# Altium PCB sugar65V2_ARGB_QMK(1).PcbDoc (part 4 of 8)
Units mm, origin at the board's own origin, x right, y up, seen from the top; angles counter-clockwise.
Board outline 416.94 x 174.37 mm, 2 copper layers (Top Layer, Bottom Layer); 304 components, 242 nets, 11102 pads, 1014 vias.
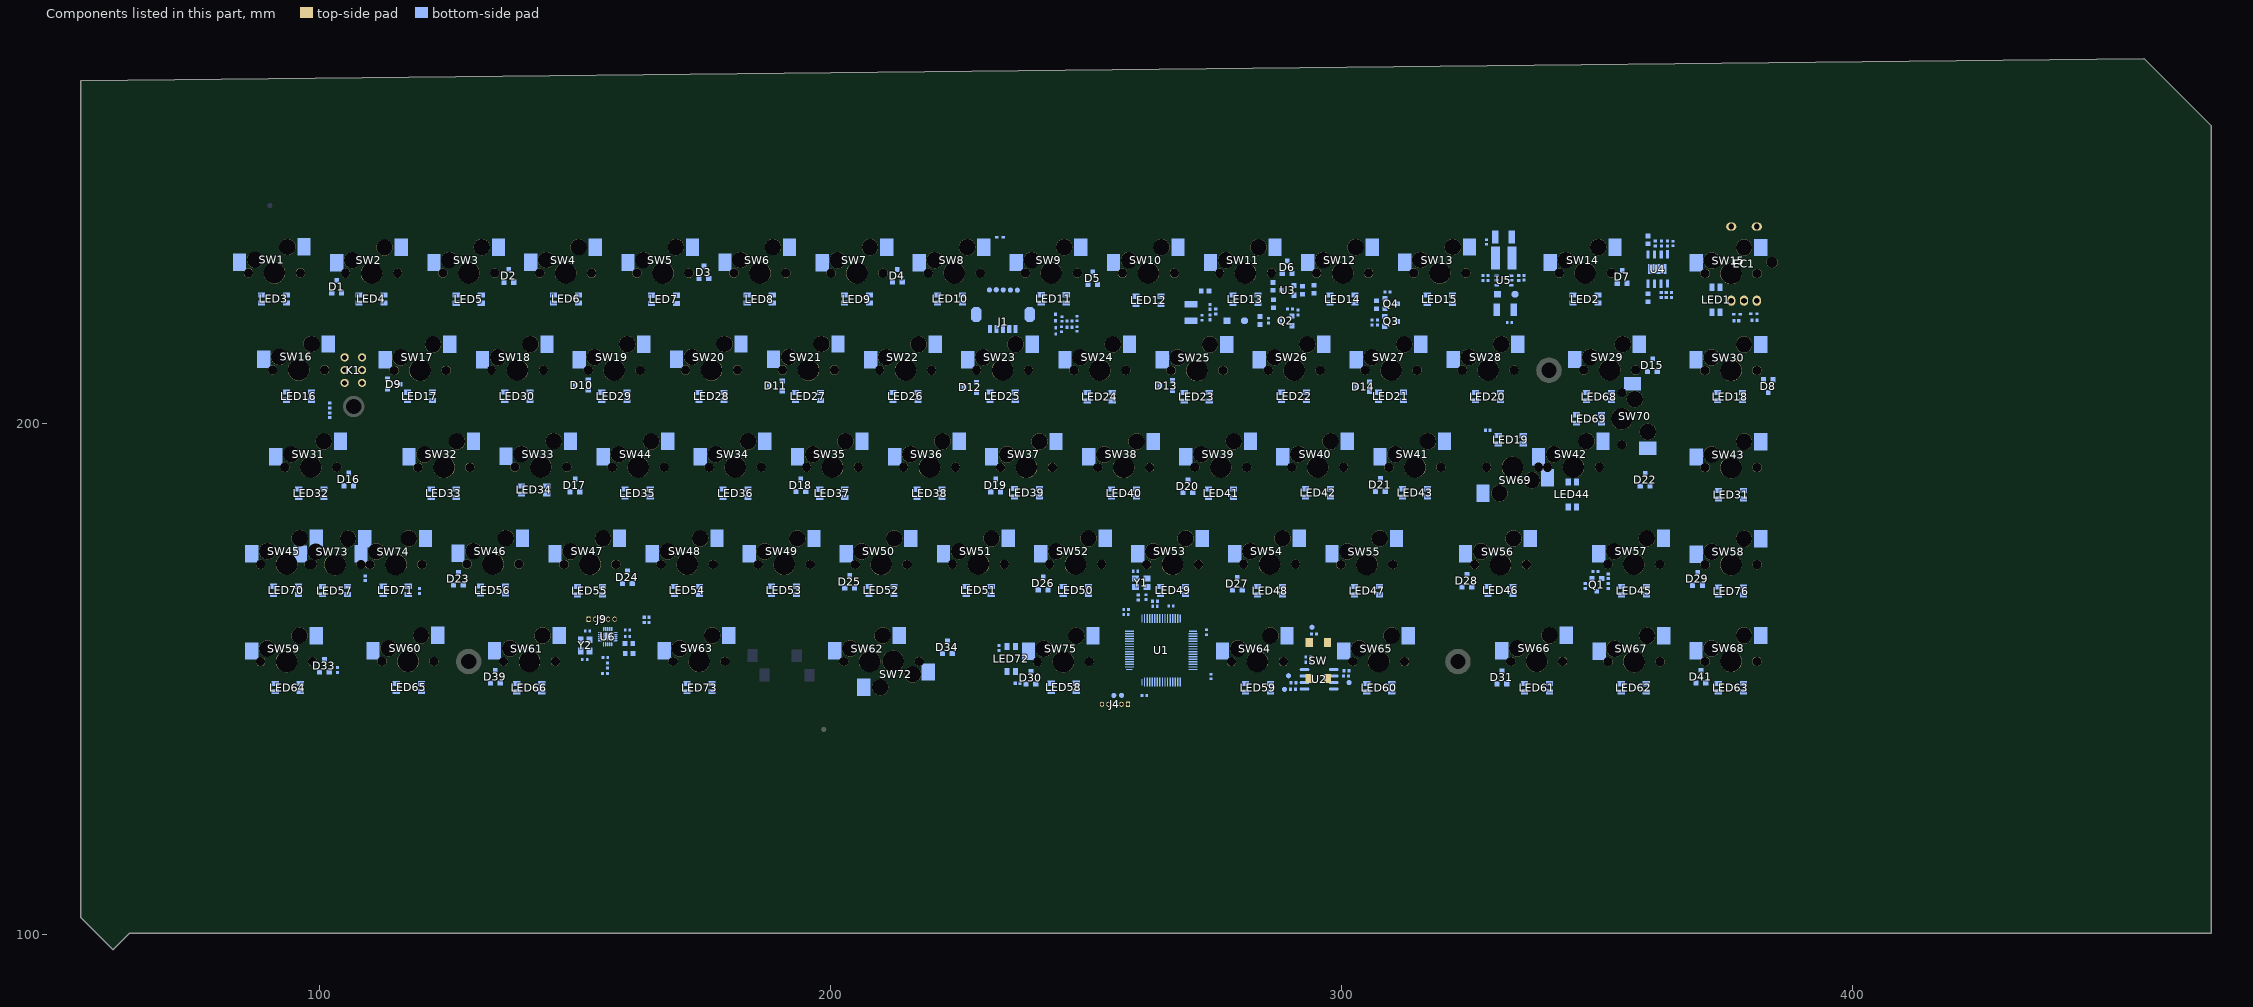
[diagram p4: the components of this part, seen from the top]

## Free pads (board coordinates) (continued)
  round 0.13 on Mech4: 1(181.463,232.211) 1(181.463,232.211) 1(181.553,231.471) 1(181.553,231.471) 1(181.553,232.441) 1(181.553,232.441) 1(181.703,231.261) 1(181.703,231.261) 1(181.703,232.651) 1(181.703,232.651) 1(181.893,231.091) 1(181.893,231.091) 1(181.893,232.821) 1(181.893,232.821) 1(182.113,230.971) 1(182.113,230.971) 1(182.113,232.941) 1(182.113,232.941) 1(182.363,230.911) 1(182.363,230.911) 1(182.363,233.001) 1(182.363,233.001) 1(182.613,230.911) 1(182.613,230.911) 1(182.613,233.001) 1(182.613,233.001) 1(182.853,230.971) 1(182.853,230.971) 1(182.853,232.941) 1(182.853,232.941) 1(182.933,196.501) 1(182.933,196.501) 1(182.963,196.241) 1(182.963,196.241) 1(182.963,196.751) 1(182.963,196.751) 1(183.053,196.011) 1(183.053,196.011) 1(183.053,196.981) 1(183.053,196.981) 1(183.083,231.091) 1(183.083,231.091) 1(183.083,232.821) 1(183.083,232.821) 1(183.203,195.801) 1(183.203,195.801) 1(183.203,197.191) 1(183.203,197.191) 1(183.273,231.261) 1(183.273,231.261) 1(183.273,232.651) 1(183.273,232.651) 1(183.393,195.631) 1(183.393,195.631) 1(183.393,197.361) 1(183.393,197.361) 1(183.413,231.471) 1(183.413,231.471) 1(183.413,232.441) 1(183.413,232.441) 1(183.503,231.701) 1(183.503,231.701) 1(183.503,232.211) 1(183.503,232.211) 1(183.533,231.961) 1(183.533,231.961) 1(183.613,195.511) 1(183.613,195.511) 1(183.613,197.481) 1(183.613,197.481) 1(183.863,195.451) 1(183.863,195.451) 1(183.863,197.541) 1(183.863,197.541) 1(184.113,195.451) 1(184.113,195.451) 1(184.113,197.541) 1(184.113,197.541) 1(184.353,195.511) 1(184.353,195.511) 1(184.353,197.481) 1(184.353,197.481) 1(184.583,195.631) 1(184.583,195.631) 1(184.583,197.361) 1(184.583,197.361) 1(184.773,195.801) 1(184.773,195.801) 1(184.773,197.191) 1(184.773,197.191) 1(184.913,196.011) 1(184.913,196.011) 1(184.913,196.981) 1(184.913,196.981) 1(185.003,196.241) 1(185.003,196.241) 1(185.003,196.751) 1(185.003,196.751) 1(185.033,196.501) 1(185.033,196.501) 1(186.183,174.961) 1(186.183,174.961) 1(186.213,174.701) 1(186.213,174.701) 1(186.213,175.211) 1(186.213,175.211) 1(186.303,174.471) 1(186.303,174.471) 1(186.303,175.441) 1(186.303,175.441) 1(186.453,174.261) 1(186.453,174.261) 1(186.453,175.651) 1(186.453,175.651) 1(186.643,174.091) 1(186.643,174.091) 1(186.643,175.821) 1(186.643,175.821) 1(186.863,173.971) 1(186.863,173.971) 1(186.863,175.941) 1(186.863,175.941) 1(187.113,173.911) 1(187.113,173.911) 1(187.113,176.001) 1(187.113,176.001) 1(187.363,173.911) 1(187.363,173.911) 1(187.363,176.001) 1(187.363,176.001) 1(187.603,173.971) 1(187.603,173.971) 1(187.603,175.941) 1(187.603,175.941) 1(187.783,234.501) 1(187.783,234.501) 1(187.813,234.241) 1(187.813,234.241) 1(187.813,234.751) 1(187.813,234.751) 1(187.833,174.091) 1(187.833,174.091) 1(187.833,175.821) 1(187.833,175.821) 1(187.903,234.011) 1(187.903,234.011) 1(187.903,234.981) 1(187.903,234.981) 1(188.023,174.261) 1(188.023,174.261) 1(188.023,175.651) 1(188.023,175.651) 1(188.053,233.801) 1(188.053,233.801) 1(188.053,235.191) 1(188.053,235.191) 1(188.163,174.471) 1(188.163,174.471) 1(188.163,175.441) 1(188.163,175.441) 1(188.243,233.631) 1(188.243,233.631) 1(188.243,235.361) 1(188.243,235.361) 1(188.253,174.701) 1(188.253,174.701) 1(188.253,175.211) 1(188.253,175.211) 1(188.283,174.961) 1(188.283,174.961) 1(188.463,233.511) 1(188.463,233.511) 1(188.463,235.481) 1(188.463,235.481) 1(188.713,233.451) 1(188.713,233.451) 1(188.713,235.541) 1(188.713,235.541) 1(188.963,233.451) 1(188.963,233.451) 1(188.963,235.541) 1(188.963,235.541) 1(189.203,233.511) 1(189.203,233.511) 1(189.203,235.481) 1(189.203,235.481) 1(189.433,233.631) 1(189.433,233.631) 1(189.433,235.361) 1(189.433,235.361) 1(189.623,233.801) 1(189.623,233.801) 1(189.623,235.191) 1(189.623,235.191) 1(189.763,234.011) 1(189.763,234.011) 1(189.763,234.981) 1(189.763,234.981) 1(189.853,234.241) 1(189.853,234.241) 1(189.853,234.751) 1(189.853,234.751) 1(189.883,234.501) 1(189.883,234.501) 1(190.933,212.961) 1(190.933,212.961) 1(190.963,212.701) 1(190.963,212.701) 1(190.963,213.211) 1(190.963,213.211) 1(191.053,212.471) 1(191.053,212.471) 1(191.053,213.441) 1(191.053,213.441) 1(191.203,212.261) 1(191.203,212.261) 1(191.203,213.651) 1(191.203,213.651) 1(191.393,212.091) 1(191.393,212.091) 1(191.393,213.821) 1(191.393,213.821) 1(191.613,211.971) 1(191.613,211.971) 1(191.613,213.941) 1(191.613,213.941) 1(191.863,211.911) 1(191.863,211.911) 1(191.863,214.001) 1(191.863,214.001) 1(192.113,211.911) 1(192.113,211.911) 1(192.113,214.001) 1(192.113,214.001) 1(192.353,211.971) 1(192.353,211.971) 1(192.353,213.941) 1(192.353,213.941) 1(192.533,177.501) 1(192.533,177.501) 1(192.563,177.241) 1(192.563,177.241) 1(192.563,177.751) 1(192.563,177.751) 1(192.583,212.091) 1(192.583,212.091) 1(192.583,213.821) 1(192.583,213.821) 1(192.653,177.011) 1(192.653,177.011) 1(192.653,177.981) 1(192.653,177.981) 1(192.773,212.261) 1(192.773,212.261) 1(192.773,213.651) 1(192.773,213.651) 1(192.803,176.801) 1(192.803,176.801) 1(192.803,178.191) 1(192.803,178.191) 1(192.913,212.471) 1(192.913,212.471) 1(192.913,213.441) 1(192.913,213.441) 1(192.993,176.631) 1(192.993,176.631) 1(192.993,178.361) 1(192.993,178.361) 1(193.003,212.701) 1(193.003,212.701) 1(193.003,213.211) 1(193.003,213.211) 1(193.033,212.961) 1(193.033,212.961) 1(193.213,176.511) 1(193.213,176.511) 1(193.213,178.481) 1(193.213,178.481) 1(193.463,176.451) 1(193.463,176.451) 1(193.463,178.541) 1(193.463,178.541) 1(193.713,176.451) 1(193.713,176.451) 1(193.713,178.541) 1(193.713,178.541) 1(193.953,176.511) 1(193.953,176.511) 1(193.953,178.481) 1(193.953,178.481) 1(194.183,176.631) 1(194.183,176.631) 1(194.183,178.361) 1(194.183,178.361) 1(194.373,176.801) 1(194.373,176.801) 1(194.373,178.191) 1(194.373,178.191) 1(194.513,177.011) 1(194.513,177.011) 1(194.513,177.981) 1(194.513,177.981) 1(194.603,177.241) 1(194.603,177.241) 1(194.603,177.751) 1(194.603,177.751) 1(194.633,177.501) 1(194.633,177.501) 1(195.583,193.961) 1(195.583,193.961) 1(195.613,193.701) 1(195.613,193.701) 1(195.613,194.211) 1(195.613,194.211) 1(195.703,193.471) 1(195.703,193.471) 1(195.703,194.441) 1(195.703,194.441) 1(195.853,193.261) 1(195.853,193.261) 1(195.853,194.651) 1(195.853,194.651) 1(196.043,193.091) 1(196.043,193.091) 1(196.043,194.821) 1(196.043,194.821) 1(196.263,192.971) 1(196.263,192.971) 1(196.263,194.941) 1(196.263,194.941) 1(196.513,192.911) 1(196.513,192.911) 1(196.513,195.001) 1(196.513,195.001) 1(196.763,192.911) 1(196.763,192.911) 1(196.763,195.001) 1(196.763,195.001) 1(197.003,192.971) 1(197.003,192.971) 1(197.003,194.941) 1(197.003,194.941) 1(197.233,193.091) 1(197.233,193.091) 1(197.233,194.821) 1(197.233,194.821) 1(197.283,215.501) 1(197.283,215.501) 1(197.313,215.241) 1(197.313,215.241) 1(197.313,215.751) 1(197.313,215.751) 1(197.403,215.011) 1(197.403,215.011) 1(197.403,215.981) 1(197.403,215.981) 1(197.423,193.261) 1(197.423,193.261) 1(197.423,194.651) 1(197.423,194.651) 1(197.553,214.801) 1(197.553,214.801) 1(197.553,216.191) 1(197.553,216.191) 1(197.563,193.471) 1(197.563,193.471) 1(197.563,194.441) 1(197.563,194.441) 1(197.653,193.701) 1(197.653,193.701) 1(197.653,194.211) 1(197.653,194.211) 1(197.683,193.961) 1(197.683,193.961) 1(197.743,214.631) 1(197.743,214.631) 1(197.743,216.361) 1(197.743,216.361) 1(197.963,214.511) 1(197.963,214.511) 1(197.963,216.481) 1(197.963,216.481) 1(198.213,214.451) 1(198.213,214.451) 1(198.213,216.541) 1(198.213,216.541) 1(198.463,214.451) 1(198.463,214.451) 1(198.463,216.541) 1(198.463,216.541) 1(198.703,214.511) 1(198.703,214.511) 1(198.703,216.481) 1(198.703,216.481) 1(198.933,214.631) 1(198.933,214.631) 1(198.933,216.361) 1(198.933,216.361) 1(199.123,214.801) 1(199.123,214.801) 1(199.123,216.191) 1(199.123,216.191) 1(199.263,215.011) 1(199.263,215.011) 1(199.263,215.981) 1(199.263,215.981) 1(199.353,215.241) 1(199.353,215.241) 1(199.353,215.751) 1(199.353,215.751) 1(199.383,215.501) 1(199.383,215.501) 1(200.433,231.961) 1(200.433,231.961) 1(200.463,231.701) 1(200.463,231.701) 1(200.463,232.211) 1(200.463,232.211) 1(200.553,231.471) 1(200.553,231.471) 1(200.553,232.441) 1(200.553,232.441) 1(200.703,231.261) 1(200.703,231.261) 1(200.703,232.651) 1(200.703,232.651) 1(200.893,231.091) 1(200.893,231.091) 1(200.893,232.821) 1(200.893,232.821) 1(201.113,230.971) 1(201.113,230.971) 1(201.113,232.941) 1(201.113,232.941) 1(201.363,230.911) 1(201.363,230.911) 1(201.363,233.001) 1(201.363,233.001) 1(201.613,230.911) 1(201.613,230.911) 1(201.613,233.001) 1(201.613,233.001) 1(201.853,230.971) 1(201.853,230.971) 1(201.853,232.941) 1(201.853,232.941) 1(201.933,196.501) 1(201.933,196.501) 1(201.963,196.241) 1(201.963,196.241) 1(201.963,196.751) 1(201.963,196.751) 1(202.053,196.011) 1(202.053,196.011) 1(202.053,196.981) 1(202.053,196.981) 1(202.083,231.091) 1(202.083,231.091) 1(202.083,232.821) 1(202.083,232.821) 1(202.203,195.801) 1(202.203,195.801) 1(202.203,197.191) 1(202.203,197.191) 1(202.273,231.261) 1(202.273,231.261) 1(202.273,232.651) 1(202.273,232.651) 1(202.393,195.631) 1(202.393,195.631) 1(202.393,197.361) 1(202.393,197.361) 1(202.413,231.471) 1(202.413,231.471) 1(202.413,232.441) 1(202.413,232.441) 1(202.503,231.701) 1(202.503,231.701) 1(202.503,232.211) 1(202.503,232.211) 1(202.533,231.961) 1(202.533,231.961) 1(202.613,195.511) 1(202.613,195.511) 1(202.613,197.481) 1(202.613,197.481) 1(202.863,195.451) 1(202.863,195.451) 1(202.863,197.541) 1(202.863,197.541) 1(202.934,155.961) 1(202.934,155.961) 1(202.964,155.701) 1(202.964,155.701) 1(202.964,156.211) 1(202.964,156.211) 1(203.054,155.471) 1(203.054,155.471) 1(203.054,156.441) 1(203.054,156.441) 1(203.113,195.451) 1(203.113,195.451) 1(203.113,197.541) 1(203.113,197.541) 1(203.204,155.261) 1(203.204,155.261) 1(203.204,156.651) 1(203.204,156.651) 1(203.353,195.511) 1(203.353,195.511) 1(203.353,197.481) 1(203.353,197.481) 1(203.394,155.091) 1(203.394,155.091) 1(203.394,156.821) 1(203.394,156.821) 1(203.583,195.631) 1(203.583,195.631) 1(203.583,197.361) 1(203.583,197.361) 1(203.614,154.971) 1(203.614,154.971) 1(203.614,156.941) 1(203.614,156.941) 1(203.773,195.801) 1(203.773,195.801) 1(203.773,197.191) 1(203.773,197.191) 1(203.864,154.911) 1(203.864,154.911) 1(203.864,157.001) 1(203.864,157.001) 1(203.913,196.011) 1(203.913,196.011) 1(203.913,196.981) 1(203.913,196.981) 1(204.003,196.241) 1(204.003,196.241) 1(204.003,196.751) 1(204.003,196.751) 1(204.033,196.501) 1(204.033,196.501) 1(204.114,154.911) 1(204.114,154.911) 1(204.114,157.001) 1(204.114,157.001) 1(204.354,154.971) 1(204.354,154.971) 1(204.354,156.941) 1(204.354,156.941) 1(204.584,155.091) 1(204.584,155.091) 1(204.584,156.821) 1(204.584,156.821) 1(204.774,155.261) 1(204.774,155.261) 1(204.774,156.651) 1(204.774,156.651) 1(204.914,155.471) 1(204.914,155.471) 1(204.914,156.441) 1(204.914,156.441) 1(205.004,155.701) 1(205.004,155.701) 1(205.004,156.211) 1(205.004,156.211) 1(205.034,155.961) 1(205.034,155.961) 1(205.183,174.961) 1(205.183,174.961) 1(205.213,174.701) 1(205.213,174.701) 1(205.213,175.211) 1(205.213,175.211) 1(205.303,174.471) 1(205.303,174.471) 1(205.303,175.441) 1(205.303,175.441) 1(205.453,174.261) 1(205.453,174.261) 1(205.453,175.651) 1(205.453,175.651) 1(205.643,174.091) 1(205.643,174.091) 1(205.643,175.821) 1(205.643,175.821) 1(205.863,173.971) 1(205.863,173.971) 1(205.863,175.941) 1(205.863,175.941) 1(206.113,173.911) 1(206.113,173.911) 1(206.113,176.001) 1(206.113,176.001) 1(206.363,173.911) 1(206.363,173.911) 1(206.363,176.001) 1(206.363,176.001) 1(206.603,173.971) 1(206.603,173.971) 1(206.603,175.941) 1(206.603,175.941) 1(206.783,234.501) 1(206.783,234.501) 1(206.813,234.241) 1(206.813,234.241) 1(206.813,234.751) 1(206.813,234.751) 1(206.833,174.091) 1(206.833,174.091) 1(206.833,175.821) 1(206.833,175.821) 1(206.903,234.011) 1(206.903,234.011) 1(206.903,234.981) 1(206.903,234.981) 1(207.023,174.261) 1(207.023,174.261) 1(207.023,175.651) 1(207.023,175.651) 1(207.053,233.801) 1(207.053,233.801) 1(207.053,235.191) 1(207.053,235.191) 1(207.163,174.471) 1(207.163,174.471) 1(207.163,175.441) 1(207.163,175.441) 1(207.243,233.631) 1(207.243,233.631) 1(207.243,235.361) 1(207.243,235.361) 1(207.253,174.701) 1(207.253,174.701) 1(207.253,175.211) 1(207.253,175.211) 1(207.283,174.961) 1(207.283,174.961) 1(207.463,233.511) 1(207.463,233.511) 1(207.463,235.481) 1(207.463,235.481) 1(207.713,233.451) 1(207.713,233.451) 1(207.713,235.541) 1(207.713,235.541) 1(207.963,233.451) 1(207.963,233.451) 1(207.963,235.541) 1(207.963,235.541) 1(208.203,233.511) 1(208.203,233.511) 1(208.203,235.481) 1(208.203,235.481) 1(208.433,233.631) 1(208.433,233.631) 1(208.433,235.361) 1(208.433,235.361) 1(208.623,233.801) 1(208.623,233.801) 1(208.623,235.191) 1(208.623,235.191) 1(208.763,234.011) 1(208.763,234.011) 1(208.763,234.981) 1(208.763,234.981) 1(208.802,148.337) 1(208.802,148.337) 1(208.832,148.087) 1(208.832,148.087) 1(208.832,148.597) 1(208.832,148.597) 1(208.853,234.241) 1(208.853,234.241) 1(208.853,234.751) 1(208.853,234.751) 1(208.883,234.501) 1(208.883,234.501) 1(208.922,147.857) 1(208.922,147.857) 1(208.922,148.827) 1(208.922,148.827) 1(209.062,147.647) 1(209.062,147.647) 1(209.062,149.037) 1(209.062,149.037) 1(209.252,147.477) 1(209.252,147.477) 1(209.252,149.207) 1(209.252,149.207) 1(209.284,158.501) 1(209.284,158.501) 1(209.314,158.241) 1(209.314,158.241) 1(209.314,158.751) 1(209.314,158.751) 1(209.404,158.011) 1(209.404,158.011) 1(209.404,158.981) 1(209.404,158.981) 1(209.482,147.357) 1(209.482,147.357) 1(209.482,149.327) 1(209.482,149.327) 1(209.554,157.801) 1(209.554,157.801) 1(209.554,159.191) 1(209.554,159.191) 1(209.722,147.297) 1(209.722,147.297) 1(209.722,149.387) 1(209.722,149.387) 1(209.744,157.631) 1(209.744,157.631) 1(209.744,159.361) 1(209.744,159.361) 1(209.933,212.961) 1(209.933,212.961) 1(209.963,212.701) 1(209.963,212.701) 1(209.963,213.211) 1(209.963,213.211) 1(209.964,157.511) 1(209.964,157.511) 1(209.964,159.481) 1(209.964,159.481) 1(209.972,147.297) 1(209.972,147.297) 1(209.972,149.387) 1(209.972,149.387) 1(210.053,212.471) 1(210.053,212.471) 1(210.053,213.441) 1(210.053,213.441) 1(210.203,212.261) 1(210.203,212.261) 1(210.203,213.651) 1(210.203,213.651) 1(210.214,157.451) 1(210.214,157.451) 1(210.214,159.541) 1(210.214,159.541) 1(210.222,147.357) 1(210.222,147.357) 1(210.222,149.327) 1(210.222,149.327) 1(210.393,212.091) 1(210.393,212.091) 1(210.393,213.821) 1(210.393,213.821) 1(210.442,147.477) 1(210.442,147.477) 1(210.442,149.207) 1(210.442,149.207) 1(210.464,157.451) 1(210.464,157.451) 1(210.464,159.541) 1(210.464,159.541) 1(210.613,211.971) 1(210.613,211.971) 1(210.613,213.941) 1(210.613,213.941) 1(210.632,147.647) 1(210.632,147.647) 1(210.632,149.037) 1(210.632,149.037) 1(210.704,157.511) 1(210.704,157.511) 1(210.704,159.481) 1(210.704,159.481) 1(210.782,147.857) 1(210.782,147.857) 1(210.782,148.827) 1(210.782,148.827) 1(210.863,211.911) 1(210.863,211.911) 1(210.863,214.001) 1(210.863,214.001) 1(210.872,148.087) 1(210.872,148.087) 1(210.872,148.597) 1(210.872,148.597) 1(210.902,148.337) 1(210.902,148.337) 1(210.934,157.631) 1(210.934,157.631) 1(210.934,159.361) 1(210.934,159.361) 1(211.113,211.911) 1(211.113,211.911) 1(211.113,214.001) 1(211.113,214.001) 1(211.124,157.801) 1(211.124,157.801) 1(211.124,159.191) 1(211.124,159.191) 1(211.264,158.011) 1(211.264,158.011) 1(211.264,158.981) 1(211.264,158.981) 1(211.353,211.971) 1(211.353,211.971) 1(211.353,213.941) 1(211.353,213.941) 1(211.354,158.241) 1(211.354,158.241) 1(211.354,158.751) 1(211.354,158.751) 1(211.384,158.501) 1(211.384,158.501) 1(211.533,177.501) 1(211.533,177.501) 1(211.563,177.241) 1(211.563,177.241) 1(211.563,177.751) 1(211.563,177.751) 1(211.583,212.091) 1(211.583,212.091) 1(211.583,213.821) 1(211.583,213.821) 1(211.653,177.011) 1(211.653,177.011) 1(211.653,177.981) 1(211.653,177.981) 1(211.773,212.261) 1(211.773,212.261) 1(211.773,213.651) 1(211.773,213.651) 1(211.803,176.801) 1(211.803,176.801) 1(211.803,178.191) 1(211.803,178.191) 1(211.913,212.471) 1(211.913,212.471) 1(211.913,213.441) 1(211.913,213.441) 1(211.993,176.631) 1(211.993,176.631) 1(211.993,178.361) 1(211.993,178.361) 1(212.003,212.701) 1(212.003,212.701) 1(212.003,213.211) 1(212.003,213.211) 1(212.033,212.961) 1(212.033,212.961) 1(212.213,176.511) 1(212.213,176.511) 1(212.213,178.481) 1(212.213,178.481) 1(212.463,176.451) 1(212.463,176.451) 1(212.463,178.541) 1(212.463,178.541) 1(212.713,176.451) 1(212.713,176.451) 1(212.713,178.541) 1(212.713,178.541) 1(212.953,176.511) 1(212.953,176.511) 1(212.953,178.481) 1(212.953,178.481) 1(213.183,176.631) 1(213.183,176.631) 1(213.183,178.361) 1(213.183,178.361) 1(213.373,176.801) 1(213.373,176.801) 1(213.373,178.191) 1(213.373,178.191) 1(213.513,177.011) 1(213.513,177.011) 1(213.513,177.981) 1(213.513,177.981) 1(213.603,177.241) 1(213.603,177.241) 1(213.603,177.751) 1(213.603,177.751) 1(213.633,177.501) 1(213.633,177.501) 1(214.583,193.961) 1(214.583,193.961) 1(214.613,193.701) 1(214.613,193.701) 1(214.613,194.211) 1(214.613,194.211) 1(214.703,193.471) 1(214.703,193.471) 1(214.703,194.441) 1(214.703,194.441) 1(214.853,193.261) 1(214.853,193.261) 1(214.853,194.651) 1(214.853,194.651) 1(215.043,193.091) 1(215.043,193.091) 1(215.043,194.821) 1(215.043,194.821) 1(215.152,150.877) 1(215.152,150.877) 1(215.182,150.627) 1(215.182,150.627) 1(215.182,151.137) 1(215.182,151.137) 1(215.263,192.971) 1(215.263,192.971) 1(215.263,194.941) 1(215.263,194.941) 1(215.272,150.397) 1(215.272,150.397) 1(215.272,151.367) 1(215.272,151.367) 1(215.412,150.187) 1(215.412,150.187) 1(215.412,151.577) 1(215.412,151.577) 1(215.513,192.911) 1(215.513,192.911) 1(215.513,195.001) 1(215.513,195.001) 1(215.602,150.017) 1(215.602,150.017) 1(215.602,151.747) 1(215.602,151.747) 1(215.763,192.911) 1(215.763,192.911) 1(215.763,195.001) 1(215.763,195.001) 1(215.832,149.897) 1(215.832,149.897) 1(215.832,151.867) 1(215.832,151.867) 1(216.003,192.971) 1(216.003,192.971) 1(216.003,194.941) 1(216.003,194.941) 1(216.072,149.837) 1(216.072,149.837) 1(216.072,151.927) 1(216.072,151.927) 1(216.233,193.091) 1(216.233,193.091) 1(216.233,194.821) 1(216.233,194.821) 1(216.283,215.501) 1(216.283,215.501) 1(216.313,215.241) 1(216.313,215.241) 1(216.313,215.751) 1(216.313,215.751) 1(216.322,149.837) 1(216.322,149.837) 1(216.322,151.927) 1(216.322,151.927) 1(216.403,215.011) 1(216.403,215.011) 1(216.403,215.981) 1(216.403,215.981) 1(216.423,193.261) 1(216.423,193.261) 1(216.423,194.651) 1(216.423,194.651) 1(216.553,214.801) 1(216.553,214.801) 1(216.553,216.191) 1(216.553,216.191) 1(216.563,193.471) 1(216.563,193.471) 1(216.563,194.441) 1(216.563,194.441) 1(216.572,149.897) 1(216.572,149.897) 1(216.572,151.867) 1(216.572,151.867) 1(216.653,193.701) 1(216.653,193.701) 1(216.653,194.211) 1(216.653,194.211) 1(216.683,193.961) 1(216.683,193.961) 1(216.743,214.631) 1(216.743,214.631) 1(216.743,216.361) 1(216.743,216.361) 1(216.792,150.017) 1(216.792,150.017) 1(216.792,151.747) 1(216.792,151.747) 1(216.963,214.511) 1(216.963,214.511) 1(216.963,216.481) 1(216.963,216.481) 1(216.982,150.187) 1(216.982,150.187) 1(216.982,151.577) 1(216.982,151.577) 1(217.132,150.397) 1(217.132,150.397) 1(217.132,151.367) 1(217.132,151.367) 1(217.213,214.451) 1(217.213,214.451) 1(217.213,216.541) 1(217.213,216.541) 1(217.222,150.627) 1(217.222,150.627) 1(217.222,151.137) 1(217.222,151.137) 1(217.252,150.877) 1(217.252,150.877) 1(217.463,214.451) 1(217.463,214.451) 1(217.463,216.541) 1(217.463,216.541) 1(217.703,214.511) 1(217.703,214.511) 1(217.703,216.481) 1(217.703,216.481) 1(217.933,214.631) 1(217.933,214.631) 1(217.933,216.361) 1(217.933,216.361) 1(218.123,214.801) 1(218.123,214.801) 1(218.123,216.191) 1(218.123,216.191) 1(218.263,215.011) 1(218.263,215.011) 1(218.263,215.981) 1(218.263,215.981) 1(218.353,215.241) 1(218.353,215.241) 1(218.353,215.751) 1(218.353,215.751) 1(218.383,215.501) 1(218.383,215.501) 1(219.433,231.961) 1(219.433,231.961) 1(219.463,231.701) 1(219.463,231.701) 1(219.463,232.211) 1(219.463,232.211) 1(219.553,231.471) 1(219.553,231.471) 1(219.553,232.441) 1(219.553,232.441) 1(219.703,231.261) 1(219.703,231.261) 1(219.703,232.651) 1(219.703,232.651) 1(219.893,231.091) 1(219.893,231.091) 1(219.893,232.821) 1(219.893,232.821) 1(220.113,230.971) 1(220.113,230.971) 1(220.113,232.941) 1(220.113,232.941) 1(220.363,230.911) 1(220.363,230.911) 1(220.363,233.001) 1(220.363,233.001) 1(220.613,230.911) 1(220.613,230.911) 1(220.613,233.001) 1(220.613,233.001) 1(220.853,230.971) 1(220.853,230.971) 1(220.853,232.941) 1(220.853,232.941) 1(220.933,196.501) 1(220.933,196.501) 1(220.963,196.241) 1(220.963,196.241) 1(220.963,196.751) 1(220.963,196.751) 1(221.053,196.011) 1(221.053,196.011) 1(221.053,196.981) 1(221.053,196.981) 1(221.083,231.091) 1(221.083,231.091) 1(221.083,232.821) 1(221.083,232.821) 1(221.203,195.801) 1(221.203,195.801) 1(221.203,197.191) 1(221.203,197.191) 1(221.273,231.261) 1(221.273,231.261) 1(221.273,232.651) 1(221.273,232.651) 1(221.393,195.631) 1(221.393,195.631) 1(221.393,197.361) 1(221.393,197.361) 1(221.413,231.471) 1(221.413,231.471) 1(221.413,232.441) 1(221.413,232.441) 1(221.503,231.701) 1(221.503,231.701) 1(221.503,232.211) 1(221.503,232.211) 1(221.533,231.961) 1(221.533,231.961) 1(221.613,195.511) 1(221.613,195.511) 1(221.613,197.481) 1(221.613,197.481) 1(221.863,195.451) 1(221.863,195.451) 1(221.863,197.541) 1(221.863,197.541) 1(222.113,195.451) 1(222.113,195.451) 1(222.113,197.541) 1(222.113,197.541) 1(222.353,195.511) 1(222.353,195.511) 1(222.353,197.481) 1(222.353,197.481) 1(222.583,195.631) 1(222.583,195.631) 1(222.583,197.361) 1(222.583,197.361) 1(222.773,195.801) 1(222.773,195.801) 1(222.773,197.191) 1(222.773,197.191) 1(222.913,196.011) 1(222.913,196.011) 1(222.913,196.981) 1(222.913,196.981) 1(223.003,196.241) 1(223.003,196.241) 1(223.003,196.751) 1(223.003,196.751) 1(223.033,196.501) 1(223.033,196.501) 1(224.183,174.961) 1(224.183,174.961) 1(224.213,174.701) 1(224.213,174.701) 1(224.213,175.211) 1(224.213,175.211) 1(224.303,174.471) 1(224.303,174.471) 1(224.303,175.441) 1(224.303,175.441) 1(224.453,174.261) 1(224.453,174.261) 1(224.453,175.651) 1(224.453,175.651) 1(224.643,174.091) 1(224.643,174.091) 1(224.643,175.821) 1(224.643,175.821) 1(224.863,173.971) 1(224.863,173.971) 1(224.863,175.941) 1(224.863,175.941) 1(225.113,173.911) 1(225.113,173.911) 1(225.113,176.001) 1(225.113,176.001) 1(225.363,173.911) 1(225.363,173.911) 1(225.363,176.001) 1(225.363,176.001) 1(225.603,173.971) 1(225.603,173.971) 1(225.603,175.941) 1(225.603,175.941) 1(225.783,234.501) 1(225.783,234.501) 1(225.813,234.241) 1(225.813,234.241) 1(225.813,234.751) 1(225.813,234.751) 1(225.833,174.091) 1(225.833,174.091) 1(225.833,175.821) 1(225.833,175.821) 1(225.903,234.011) 1(225.903,234.011) 1(225.903,234.981) 1(225.903,234.981) 1(226.023,174.261) 1(226.023,174.261) 1(226.023,175.651) 1(226.023,175.651) 1(226.053,233.801) 1(226.053,233.801) 1(226.053,235.191) 1(226.053,235.191) 1(226.163,174.471) 1(226.163,174.471) 1(226.163,175.441) 1(226.163,175.441) 1(226.243,233.631) 1(226.243,233.631) 1(226.243,235.361) 1(226.243,235.361) 1(226.253,174.701) 1(226.253,174.701) 1(226.253,175.211) 1(226.253,175.211) 1(226.283,174.961) 1(226.283,174.961) 1(226.463,233.511) 1(226.463,233.511) 1(226.463,235.481) 1(226.463,235.481) 1(226.713,233.451) 1(226.713,233.451) 1(226.713,235.541) 1(226.713,235.541) 1(226.963,233.451) 1(226.963,233.451) 1(226.963,235.541) 1(226.963,235.541) 1(227.203,233.511) 1(227.203,233.511) 1(227.203,235.481) 1(227.203,235.481) 1(227.433,233.631) 1(227.433,233.631) 1(227.433,235.361) 1(227.433,235.361) 1(227.623,233.801) 1(227.623,233.801) 1(227.623,235.191) 1(227.623,235.191) 1(227.763,234.011) 1(227.763,234.011) 1(227.763,234.981) 1(227.763,234.981) 1(227.853,234.241) 1(227.853,234.241) 1(227.853,234.751) 1(227.853,234.751) 1(227.883,234.501) 1(227.883,234.501) 1(228.933,212.961) 1(228.933,212.961) 1(228.963,212.701) 1(228.963,212.701) 1(228.963,213.211) 1(228.963,213.211) 1(229.053,212.471) 1(229.053,212.471) 1(229.053,213.441) 1(229.053,213.441) 1(229.203,212.261) 1(229.203,212.261) 1(229.203,213.651) 1(229.203,213.651) 1(229.393,212.091) 1(229.393,212.091) 1(229.393,213.821) 1(229.393,213.821) 1(229.613,211.971) 1(229.613,211.971) 1(229.613,213.941) 1(229.613,213.941) 1(229.863,211.911) 1(229.863,211.911) 1(229.863,214.001) 1(229.863,214.001) 1(230.113,211.911) 1(230.113,211.911) 1(230.113,214.001) 1(230.113,214.001) 1(230.353,211.971) 1(230.353,211.971) 1(230.353,213.941) 1(230.353,213.941) 1(230.533,177.501) 1(230.533,177.501) 1(230.563,177.241) 1(230.563,177.241) 1(230.563,177.751) 1(230.563,177.751) 1(230.583,212.091) 1(230.583,212.091) 1(230.583,213.821) 1(230.583,213.821) 1(230.653,177.011) 1(230.653,177.011) 1(230.653,177.981) 1(230.653,177.981) 1(230.773,212.261) 1(230.773,212.261) 1(230.773,213.651) 1(230.773,213.651) 1(230.803,176.801) 1(230.803,176.801) 1(230.803,178.191) 1(230.803,178.191) 1(230.913,212.471) 1(230.913,212.471) 1(230.913,213.441) 1(230.913,213.441) 1(230.993,176.631) 1(230.993,176.631) 1(230.993,178.361) 1(230.993,178.361) 1(231.003,212.701) 1(231.003,212.701) 1(231.003,213.211) 1(231.003,213.211) 1(231.033,212.961) 1(231.033,212.961) 1(231.213,176.511) 1(231.213,176.511) 1(231.213,178.481) 1(231.213,178.481) 1(231.463,176.451) 1(231.463,176.451) 1(231.463,178.541) 1(231.463,178.541) 1(231.713,176.451) 1(231.713,176.451) 1(231.713,178.541) 1(231.713,178.541) 1(231.953,176.511) 1(231.953,176.511) 1(231.953,178.481) 1(231.953,178.481) 1(232.183,176.631) 1(232.183,176.631) 1(232.183,178.361) 1(232.183,178.361) 1(232.373,176.801) 1(232.373,176.801) 1(232.373,178.191) 1(232.373,178.191) 1(232.513,177.011) 1(232.513,177.011) 1(232.513,177.981) 1(232.513,177.981) 1(232.603,177.241) 1(232.603,177.241) 1(232.603,177.751) 1(232.603,177.751) 1(232.633,177.501) 1(232.633,177.501) 1(233.583,193.961) 1(233.583,193.961) 1(233.613,193.701) 1(233.613,193.701) 1(233.613,194.211) 1(233.613,194.211) 1(233.703,193.471) 1(233.703,193.471) 1(233.703,194.441) 1(233.703,194.441) 1(233.853,193.261) 1(233.853,193.261) 1(233.853,194.651) 1(233.853,194.651) 1(234.043,193.091) 1(234.043,193.091) 1(234.043,194.821) 1(234.043,194.821) 1(234.263,192.971) 1(234.263,192.971) 1(234.263,194.941) 1(234.263,194.941) 1(234.513,192.911) 1(234.513,192.911) 1(234.513,195.001) 1(234.513,195.001) 1(234.763,192.911) 1(234.763,192.911) 1(234.763,195.001) 1(234.763,195.001) 1(235.003,192.971) 1(235.003,192.971) 1(235.003,194.941) 1(235.003,194.941) 1(235.233,193.091) 1(235.233,193.091) 1(235.233,194.821) 1(235.233,194.821) 1(235.283,215.501) 1(235.283,215.501) 1(235.313,215.241) 1(235.313,215.241) 1(235.313,215.751) 1(235.313,215.751) 1(235.403,215.011) 1(235.403,215.011) 1(235.403,215.981) 1(235.403,215.981) 1(235.423,193.261) 1(235.423,193.261) 1(235.423,194.651) 1(235.423,194.651) 1(235.553,214.801) 1(235.553,214.801) 1(235.553,216.191) 1(235.553,216.191) 1(235.563,193.471) 1(235.563,193.471) 1(235.563,194.441) 1(235.563,194.441) 1(235.653,193.701) 1(235.653,193.701) 1(235.653,194.211) 1(235.653,194.211) 1(235.683,193.961) 1(235.683,193.961) 1(235.743,214.631) 1(235.743,214.631) 1(235.743,216.361) 1(235.743,216.361) 1(235.963,214.511) 1(235.963,214.511) 1(235.963,216.481) 1(235.963,216.481) 1(236.213,214.451) 1(236.213,214.451) 1(236.213,216.541) 1(236.213,216.541) 1(236.463,214.451) 1(236.463,214.451) 1(236.463,216.541) 1(236.463,216.541) 1(236.703,214.511) 1(236.703,214.511) 1(236.703,216.481) 1(236.703,216.481) 1(236.933,214.631) 1(236.933,214.631) 1(236.933,216.361) 1(236.933,216.361) 1(237.123,214.801) 1(237.123,214.801) 1(237.123,216.191) 1(237.123,216.191) 1(237.263,215.011) 1(237.263,215.011) 1(237.263,215.981) 1(237.263,215.981) 1(237.353,215.241) 1(237.353,215.241) 1(237.353,215.751) 1(237.353,215.751) 1(237.383,215.501) 1(237.383,215.501) 1(238.433,231.961) 1(238.433,231.961) 1(238.463,231.701) 1(238.463,231.701) 1(238.463,232.211) 1(238.463,232.211) 1(238.553,231.471) 1(238.553,231.471) 1(238.553,232.441) 1(238.553,232.441) 1(238.703,231.261) 1(238.703,231.261) 1(238.703,232.651) 1(238.703,232.651) 1(238.893,231.091) 1(238.893,231.091) 1(238.893,232.821) 1(238.893,232.821) 1(239.113,230.971) 1(239.113,230.971) 1(239.113,232.941) 1(239.113,232.941) 1(239.363,230.911) 1(239.363,230.911) 1(239.363,233.001) 1(239.363,233.001) 1(239.613,230.911) 1(239.613,230.911) 1(239.613,233.001) 1(239.613,233.001) 1(239.853,230.971) 1(239.853,230.971) 1(239.853,232.941) 1(239.853,232.941) 1(239.933,196.501) 1(239.933,196.501) 1(239.963,196.241) 1(239.963,196.241) 1(239.963,196.751) 1(239.963,196.751) 1(240.053,196.011) 1(240.053,196.011) 1(240.053,196.981) 1(240.053,196.981) 1(240.083,231.091) 1(240.083,231.091) 1(240.083,232.821) 1(240.083,232.821) 1(240.203,195.801) 1(240.203,195.801) 1(240.203,197.191) 1(240.203,197.191) 1(240.273,231.261) 1(240.273,231.261) 1(240.273,232.651) 1(240.273,232.651) 1(240.393,195.631) 1(240.393,195.631) 1(240.393,197.361) 1(240.393,197.361) 1(240.413,231.471) 1(240.413,231.471) 1(240.413,232.441) 1(240.413,232.441) 1(240.503,231.701) 1(240.503,231.701) 1(240.503,232.211) 1(240.503,232.211) 1(240.533,231.961) 1(240.533,231.961) 1(240.613,195.511) 1(240.613,195.511) 1(240.613,197.481) 1(240.613,197.481) 1(240.808,155.961) 1(240.808,155.961) 1(240.838,155.701) 1(240.838,155.701) 1(240.838,156.211) 1(240.838,156.211) 1(240.863,195.451) 1(240.863,195.451) 1(240.863,197.541) 1(240.863,197.541) 1(240.928,155.471) 1(240.928,155.471) 1(240.928,156.441) 1(240.928,156.441) 1(241.078,155.261) 1(241.078,155.261) 1(241.078,156.651) 1(241.078,156.651) 1(241.113,195.451) 1(241.113,195.451) 1(241.113,197.541) 1(241.113,197.541) 1(241.268,155.091) 1(241.268,155.091) 1(241.268,156.821) 1(241.268,156.821) 1(241.353,195.511) 1(241.353,195.511) 1(241.353,197.481) 1(241.353,197.481) 1(241.488,154.971) 1(241.488,154.971) 1(241.488,156.941) 1(241.488,156.941) 1(241.583,195.631) 1(241.583,195.631) 1(241.583,197.361) 1(241.583,197.361) 1(241.738,154.911) 1(241.738,154.911) 1(241.738,157.001) 1(241.738,157.001) 1(241.773,195.801) 1(241.773,195.801) 1(241.773,197.191) 1(241.773,197.191) 1(241.913,196.011) 1(241.913,196.011) 1(241.913,196.981) 1(241.913,196.981) 1(241.988,154.911) 1(241.988,154.911) 1(241.988,157.001) 1(241.988,157.001) 1(242.003,196.241) 1(242.003,196.241) 1(242.003,196.751) 1(242.003,196.751) 1(242.033,196.501) 1(242.033,196.501) 1(242.228,154.971) 1(242.228,154.971) 1(242.228,156.941) 1(242.228,156.941) 1(242.458,155.091) 1(242.458,155.091) 1(242.458,156.821) 1(242.458,156.821) 1(242.648,155.261) 1(242.648,155.261) 1(242.648,156.651) 1(242.648,156.651) 1(242.788,155.471) 1(242.788,155.471) 1(242.788,156.441) 1(242.788,156.441) 1(242.878,155.701) 1(242.878,155.701) 1(242.878,156.211) 1(242.878,156.211) 1(242.908,155.961) 1(242.908,155.961) 1(243.183,174.961) 1(243.183,174.961) 1(243.213,174.701) 1(243.213,174.701) 1(243.213,175.211) 1(243.213,175.211) 1(243.303,174.471) 1(243.303,174.471) 1(243.303,175.441) 1(243.303,175.441) 1(243.453,174.261) 1(243.453,174.261) 1(243.453,175.651) 1(243.453,175.651) 1(243.643,174.091) 1(243.643,174.091) 1(243.643,175.821) 1(243.643,175.821) 1(243.863,173.971) 1(243.863,173.971) 1(243.863,175.941) 1(243.863,175.941) 1(244.113,173.911) 1(244.113,173.911) 1(244.113,176.001) 1(244.113,176.001) 1(244.363,173.911) 1(244.363,173.911) 1(244.363,176.001) 1(244.363,176.001) 1(244.603,173.971) 1(244.603,173.971) 1(244.603,175.941) 1(244.603,175.941) 1(244.783,234.501) 1(244.783,234.501) 1(244.813,234.241) 1(244.813,234.241) 1(244.813,234.751) 1(244.813,234.751) 1(244.833,174.091) 1(244.833,174.091) 1(244.833,175.821) 1(244.833,175.821) 1(244.903,234.011) 1(244.903,234.011) 1(244.903,234.981) 1(244.903,234.981) 1(245.023,174.261) 1(245.023,174.261) 1(245.023,175.651) 1(245.023,175.651) 1(245.053,233.801) 1(245.053,233.801) 1(245.053,235.191) 1(245.053,235.191) 1(245.163,174.471) 1(245.163,174.471) 1(245.163,175.441) 1(245.163,175.441) 1(245.243,233.631) 1(245.243,233.631) 1(245.243,235.361) 1(245.243,235.361) 1(245.253,174.701) 1(245.253,174.701) 1(245.253,175.211) 1(245.253,175.211) 1(245.283,174.961) 1(245.283,174.961) 1(245.463,233.511) 1(245.463,233.511) 1(245.463,235.481) 1(245.463,235.481) 1(245.713,233.451) 1(245.713,233.451) 1(245.713,235.541) 1(245.713,235.541) 1(245.963,233.451) 1(245.963,233.451) 1(245.963,235.541) 1(245.963,235.541) 1(246.203,233.511) 1(246.203,233.511) 1(246.203,235.481) 1(246.203,235.481) 1(246.433,233.631) 1(246.433,233.631) 1(246.433,235.361) 1(246.433,235.361) 1(246.623,233.801) 1(246.623,233.801) 1(246.623,235.191) 1(246.623,235.191) 1(246.763,234.011) 1(246.763,234.011) 1(246.763,234.981) 1(246.763,234.981) 1(246.853,234.241) 1(246.853,234.241) 1(246.853,234.751) 1(246.853,234.751) 1(246.883,234.501) 1(246.883,234.501) 1(247.158,158.501) 1(247.158,158.501) 1(247.188,158.241) 1(247.188,158.241) 1(247.188,158.751) 1(247.188,158.751) 1(247.278,158.011) 1(247.278,158.011) 1(247.278,158.981) 1(247.278,158.981) 1(247.428,157.801) 1(247.428,157.801) 1(247.428,159.191) 1(247.428,159.191) 1(247.618,157.631) 1(247.618,157.631) 1(247.618,159.361) 1(247.618,159.361) 1(247.838,157.511) 1(247.838,157.511) 1(247.838,159.481) 1(247.838,159.481) 1(247.933,212.961) 1(247.933,212.961) 1(247.963,212.701) 1(247.963,212.701) 1(247.963,213.211) 1(247.963,213.211) 1(248.053,212.471) 1(248.053,212.471) 1(248.053,213.441) 1(248.053,213.441) 1(248.088,157.451) 1(248.088,157.451) 1(248.088,159.541) 1(248.088,159.541) 1(248.203,212.261) 1(248.203,212.261) 1(248.203,213.651) 1(248.203,213.651) 1(248.338,157.451) 1(248.338,157.451) 1(248.338,159.541) 1(248.338,159.541) 1(248.393,212.091) 1(248.393,212.091) 1(248.393,213.821) 1(248.393,213.821) 1(248.578,157.511) 1(248.578,157.511) 1(248.578,159.481) 1(248.578,159.481) 1(248.613,211.971) 1(248.613,211.971) 1(248.613,213.941) 1(248.613,213.941) 1(248.808,157.631) 1(248.808,157.631) 1(248.808,159.361) 1(248.808,159.361) 1(248.863,211.911) 1(248.863,211.911) 1(248.863,214.001) 1(248.863,214.001) 1(248.998,157.801) 1(248.998,157.801) 1(248.998,159.191) 1(248.998,159.191) 1(249.113,211.911) 1(249.113,211.911) 1(249.113,214.001) 1(249.113,214.001) 1(249.138,158.011) 1(249.138,158.011) 1(249.138,158.981) 1(249.138,158.981) 1(249.228,158.241) 1(249.228,158.241) 1(249.228,158.751) 1(249.228,158.751) 1(249.258,158.501) 1(249.258,158.501) 1(249.353,211.971) 1(249.353,211.971) 1(249.353,213.941) 1(249.353,213.941) 1(249.533,177.501) 1(249.533,177.501) 1(249.563,177.241) 1(249.563,177.241) 1(249.563,177.751) 1(249.563,177.751) 1(249.583,212.091) 1(249.583,212.091) 1(249.583,213.821) 1(249.583,213.821) 1(249.653,177.011) 1(249.653,177.011) 1(249.653,177.981) 1(249.653,177.981) 1(249.773,212.261) 1(249.773,212.261) 1(249.773,213.651) 1(249.773,213.651) 1(249.803,176.801) 1(249.803,176.801) 1(249.803,178.191) 1(249.803,178.191) 1(249.913,212.471) 1(249.913,212.471) 1(249.913,213.441) 1(249.913,213.441) 1(249.993,176.631) 1(249.993,176.631) 1(249.993,178.361) 1(249.993,178.361) 1(250.003,212.701) 1(250.003,212.701) 1(250.003,213.211) 1(250.003,213.211) 1(250.033,212.961) 1(250.033,212.961) 1(250.213,176.511) 1(250.213,176.511) 1(250.213,178.481) 1(250.213,178.481) 1(250.463,176.451) 1(250.463,176.451) 1(250.463,178.541) 1(250.463,178.541) 1(250.713,176.451) 1(250.713,176.451) 1(250.713,178.541) 1(250.713,178.541) 1(250.953,176.511) 1(250.953,176.511) 1(250.953,178.481) 1(250.953,178.481) 1(251.183,176.631) 1(251.183,176.631) 1(251.183,178.361) 1(251.183,178.361) 1(251.373,176.801) 1(251.373,176.801) 1(251.373,178.191) 1(251.373,178.191) 1(251.513,177.011) 1(251.513,177.011) 1(251.513,177.981) 1(251.513,177.981) 1(251.603,177.241) 1(251.603,177.241) 1(251.603,177.751) 1(251.603,177.751) 1(251.633,177.501) 1(251.633,177.501) 1(252.583,193.961) 1(252.583,193.961) 1(252.613,193.701) 1(252.613,193.701) 1(252.613,194.211) 1(252.613,194.211) 1(252.703,193.471) 1(252.703,193.471) 1(252.703,194.441) 1(252.703,194.441) 1(252.853,193.261) 1(252.853,193.261) 1(252.853,194.651) 1(252.853,194.651) 1(253.043,193.091) 1(253.043,193.091) 1(253.043,194.821) 1(253.043,194.821) 1(253.263,192.971) 1(253.263,192.971) 1(253.263,194.941) 1(253.263,194.941) 1(253.513,192.911) 1(253.513,192.911) 1(253.513,195.001) 1(253.513,195.001) 1(253.763,192.911) 1(253.763,192.911) 1(253.763,195.001) 1(253.763,195.001) 1(254.003,192.971) 1(254.003,192.971) 1(254.003,194.941) 1(254.003,194.941) 1(254.233,193.091) 1(254.233,193.091) 1(254.233,194.821) 1(254.233,194.821) 1(254.283,215.501) 1(254.283,215.501) 1(254.313,215.241) 1(254.313,215.241) 1(254.313,215.751) 1(254.313,215.751) 1(254.403,215.011) 1(254.403,215.011) 1(254.403,215.981) 1(254.403,215.981) 1(254.423,193.261) 1(254.423,193.261) 1(254.423,194.651) 1(254.423,194.651) 1(254.553,214.801) 1(254.553,214.801) 1(254.553,216.191) 1(254.553,216.191) 1(254.563,193.471) 1(254.563,193.471) 1(254.563,194.441) 1(254.563,194.441) 1(254.653,193.701) 1(254.653,193.701) 1(254.653,194.211) 1(254.653,194.211) 1(254.683,193.961) 1(254.683,193.961) 1(254.743,214.631) 1(254.743,214.631) 1(254.743,216.361) 1(254.743,216.361) 1(254.963,214.511) 1(254.963,214.511) 1(254.963,216.481) 1(254.963,216.481) 1(255.213,214.451) 1(255.213,214.451) 1(255.213,216.541) 1(255.213,216.541) 1(255.463,214.451) 1(255.463,214.451) 1(255.463,216.541) 1(255.463,216.541) 1(255.703,214.511) 1(255.703,214.511) 1(255.703,216.481) 1(255.703,216.481) 1(255.933,214.631) 1(255.933,214.631) 1(255.933,216.361) 1(255.933,216.361) 1(256.123,214.801) 1(256.123,214.801) 1(256.123,216.191) 1(256.123,216.191) 1(256.263,215.011) 1(256.263,215.011) 1(256.263,215.981) 1(256.263,215.981) 1(256.353,215.241) 1(256.353,215.241) 1(256.353,215.751) 1(256.353,215.751) 1(256.383,215.501) 1(256.383,215.501) 1(257.433,231.961) 1(257.433,231.961) 1(257.463,231.701) 1(257.463,231.701) 1(257.463,232.211) 1(257.463,232.211) 1(257.553,231.471) 1(257.553,231.471) 1(257.553,232.441) 1(257.553,232.441) 1(257.703,231.261) 1(257.703,231.261) 1(257.703,232.651) 1(257.703,232.651) 1(257.893,231.091) 1(257.893,231.091) 1(257.893,232.821) 1(257.893,232.821) 1(258.113,230.971) 1(258.113,230.971) 1(258.113,232.941) 1(258.113,232.941) 1(258.363,230.911) 1(258.363,230.911) 1(258.363,233.001) 1(258.363,233.001) 1(258.613,230.911) 1(258.613,230.911) 1(258.613,233.001) 1(258.613,233.001) 1(258.853,230.971) 1(258.853,230.971) 1(258.853,232.941) 1(258.853,232.941) 1(258.933,196.501) 1(258.933,196.501) 1(258.963,196.241) 1(258.963,196.241) 1(258.963,196.751) 1(258.963,196.751) 1(259.053,196.011) 1(259.053,196.011) 1(259.053,196.981) 1(259.053,196.981) 1(259.083,231.091) 1(259.083,231.091) 1(259.083,232.821) 1(259.083,232.821) 1(259.203,195.801) 1(259.203,195.801) 1(259.203,197.191) 1(259.203,197.191) 1(259.273,231.261) 1(259.273,231.261) 1(259.273,232.651) 1(259.273,232.651) 1(259.393,195.631) 1(259.393,195.631) 1(259.393,197.361) 1(259.393,197.361) 1(259.413,231.471) 1(259.413,231.471) 1(259.413,232.441) 1(259.413,232.441) 1(259.503,231.701) 1(259.503,231.701) 1(259.503,232.211) 1(259.503,232.211) 1(259.533,231.961) 1(259.533,231.961) 1(259.613,195.511) 1(259.613,195.511) 1(259.613,197.481) 1(259.613,197.481) 1(259.863,195.451) 1(259.863,195.451) 1(259.863,197.541) 1(259.863,197.541) 1(260.113,195.451) 1(260.113,195.451) 1(260.113,197.541) 1(260.113,197.541) 1(260.353,195.511) 1(260.353,195.511) 1(260.353,197.481) 1(260.353,197.481) 1(260.583,195.631) 1(260.583,195.631) 1(260.583,197.361) 1(260.583,197.361) 1(260.773,195.801) 1(260.773,195.801) 1(260.773,197.191) 1(260.773,197.191) 1(260.913,196.011) 1(260.913,196.011) 1(260.913,196.981) 1(260.913,196.981) 1(261.003,196.241) 1(261.003,196.241) 1(261.003,196.751) 1(261.003,196.751) 1(261.033,196.501) 1(261.033,196.501) 1(262.183,174.961) 1(262.183,174.961) 1(262.213,174.701) 1(262.213,174.701) 1(262.213,175.211) 1(262.213,175.211) 1(262.303,174.471) 1(262.303,174.471) 1(262.303,175.441) 1(262.303,175.441) 1(262.453,174.261) 1(262.453,174.261) 1(262.453,175.651) 1(262.453,175.651) 1(262.643,174.091) 1(262.643,174.091) 1(262.643,175.821) 1(262.643,175.821) 1(262.863,173.971) 1(262.863,173.971) 1(262.863,175.941) 1(262.863,175.941) 1(263.113,173.911) 1(263.113,173.911) 1(263.113,176.001) 1(263.113,176.001) 1(263.363,173.911) 1(263.363,173.911) 1(263.363,176.001) 1(263.363,176.001) 1(263.603,173.971) 1(263.603,173.971) 1(263.603,175.941) 1(263.603,175.941) 1(263.783,234.501) 1(263.783,234.501) 1(263.813,234.241) 1(263.813,234.241) 1(263.813,234.751) 1(263.813,234.751) 1(263.833,174.091) 1(263.833,174.091) 1(263.833,175.821) 1(263.833,175.821) 1(263.903,234.011) 1(263.903,234.011) 1(263.903,234.981) 1(263.903,234.981) 1(264.023,174.261) 1(264.023,174.261) 1(264.023,175.651) 1(264.023,175.651) 1(264.053,233.801) 1(264.053,233.801) 1(264.053,235.191) 1(264.053,235.191) 1(264.163,174.471) 1(264.163,174.471) 1(264.163,175.441) 1(264.163,175.441) 1(264.243,233.631) 1(264.243,233.631) 1(264.243,235.361) 1(264.243,235.361) 1(264.253,174.701) 1(264.253,174.701) 1(264.253,175.211) 1(264.253,175.211) 1(264.283,174.961) 1(264.283,174.961) 1(264.463,233.511) 1(264.463,233.511) 1(264.463,235.481) 1(264.463,235.481) 1(264.713,233.451) 1(264.713,233.451) 1(264.713,235.541) 1(264.713,235.541) 1(264.963,233.451) 1(264.963,233.451) 1(264.963,235.541) 1(264.963,235.541) 1(265.203,233.511) 1(265.203,233.511) 1(265.203,235.481) 1(265.203,235.481) 1(265.433,233.631) 1(265.433,233.631) 1(265.433,235.361) 1(265.433,235.361) 1(265.623,233.801) 1(265.623,233.801) 1(265.623,235.191) 1(265.623,235.191) 1(265.763,234.011) 1(265.763,234.011) 1(265.763,234.981) 1(265.763,234.981) 1(265.853,234.241) 1(265.853,234.241) 1(265.853,234.751) 1(265.853,234.751) 1(265.883,234.501) 1(265.883,234.501) 1(266.933,212.961) 1(266.933,212.961) 1(266.963,212.701) 1(266.963,212.701) 1(266.963,213.211) 1(266.963,213.211) 1(267.053,212.471) 1(267.053,212.471) 1(267.053,213.441) 1(267.053,213.441) 1(267.203,212.261) 1(267.203,212.261) 1(267.203,213.651) 1(267.203,213.651) 1(267.393,212.091) 1(267.393,212.091) 1(267.393,213.821) 1(267.393,213.821) 1(267.613,211.971) 1(267.613,211.971) 1(267.613,213.941) 1(267.613,213.941) 1(267.863,211.911) 1(267.863,211.911) 1(267.863,214.001) 1(267.863,214.001) 1(268.113,211.911) 1(268.113,211.911) 1(268.113,214.001) 1(268.113,214.001) 1(268.353,211.971) 1(268.353,211.971) 1(268.353,213.941) 1(268.353,213.941) 1(268.533,177.501) 1(268.533,177.501) 1(268.563,177.241) 1(268.563,177.241) 1(268.563,177.751) 1(268.563,177.751) 1(268.583,212.091) 1(268.583,212.091) 1(268.583,213.821) 1(268.583,213.821) 1(268.653,177.011) 1(268.653,177.011) 1(268.653,177.981) 1(268.653,177.981) 1(268.773,212.261) 1(268.773,212.261) 1(268.773,213.651) 1(268.773,213.651) 1(268.803,176.801) 1(268.803,176.801) 1(268.803,178.191) 1(268.803,178.191) 1(268.913,212.471) 1(268.913,212.471) 1(268.913,213.441) 1(268.913,213.441) 1(268.993,176.631) 1(268.993,176.631) 1(268.993,178.361) 1(268.993,178.361) 1(269.003,212.701) 1(269.003,212.701) 1(269.003,213.211) 1(269.003,213.211) 1(269.033,212.961) 1(269.033,212.961) 1(269.213,176.511) 1(269.213,176.511) 1(269.213,178.481) 1(269.213,178.481) 1(269.463,176.451) 1(269.463,176.451) 1(269.463,178.541) 1(269.463,178.541) 1(269.713,176.451) 1(269.713,176.451) 1(269.713,178.541) 1(269.713,178.541) 1(269.953,176.511) 1(269.953,176.511) 1(269.953,178.481) 1(269.953,178.481) 1(270.183,176.631) 1(270.183,176.631) 1(270.183,178.361) 1(270.183,178.361) 1(270.373,176.801) 1(270.373,176.801) 1(270.373,178.191) 1(270.373,178.191) 1(270.513,177.011) 1(270.513,177.011) 1(270.513,177.981) 1(270.513,177.981) 1(270.603,177.241) 1(270.603,177.241) 1(270.603,177.751) 1(270.603,177.751) 1(270.633,177.501) 1(270.633,177.501) 1(271.583,193.961) 1(271.583,193.961) 1(271.613,193.701) 1(271.613,193.701) 1(271.613,194.211) 1(271.613,194.211) 1(271.703,193.471) 1(271.703,193.471) 1(271.703,194.441) 1(271.703,194.441) 1(271.853,193.261) 1(271.853,193.261) 1(271.853,194.651) 1(271.853,194.651) 1(272.043,193.091) 1(272.043,193.091) 1(272.043,194.821) 1(272.043,194.821) 1(272.263,192.971) 1(272.263,192.971) 1(272.263,194.941) 1(272.263,194.941) 1(272.513,192.911) 1(272.513,192.911) 1(272.513,195.001) 1(272.513,195.001) 1(272.763,192.911) 1(272.763,192.911) 1(272.763,195.001) 1(272.763,195.001) 1(273.003,192.971) 1(273.003,192.971) 1(273.003,194.941) 1(273.003,194.941) 1(273.233,193.091) 1(273.233,193.091) 1(273.233,194.821) 1(273.233,194.821) 1(273.283,215.501) 1(273.283,215.501) 1(273.313,215.241) 1(273.313,215.241) 1(273.313,215.751) 1(273.313,215.751) 1(273.403,215.011) 1(273.403,215.011) 1(273.403,215.981) 1(273.403,215.981) 1(273.423,193.261) 1(273.423,193.261) 1(273.423,194.651) 1(273.423,194.651) 1(273.553,214.801) 1(273.553,214.801) 1(273.553,216.191) 1(273.553,216.191) 1(273.563,193.471) 1(273.563,193.471) 1(273.563,194.441) 1(273.563,194.441) 1(273.653,193.701) 1(273.653,193.701) 1(273.653,194.211) 1(273.653,194.211) 1(273.683,193.961) 1(273.683,193.961) 1(273.743,214.631) 1(273.743,214.631) 1(273.743,216.361) 1(273.743,216.361) 1(273.963,214.511) 1(273.963,214.511) 1(273.963,216.481) 1(273.963,216.481) 1(274.213,214.451) 1(274.213,214.451) 1(274.213,216.541) 1(274.213,216.541) 1(274.463,214.451) 1(274.463,214.451) 1(274.463,216.541) 1(274.463,216.541) 1(274.703,214.511) 1(274.703,214.511) 1(274.703,216.481) 1(274.703,216.481) 1(274.933,214.631) 1(274.933,214.631) 1(274.933,216.361) 1(274.933,216.361) 1(275.123,214.801) 1(275.123,214.801) 1(275.123,216.191) 1(275.123,216.191) 1(275.263,215.011) 1(275.263,215.011) 1(275.263,215.981) 1(275.263,215.981) 1(275.353,215.241) 1(275.353,215.241) 1(275.353,215.751) 1(275.353,215.751) 1(275.383,215.501) 1(275.383,215.501) 1(276.433,231.961) 1(276.433,231.961) 1(276.463,231.701) 1(276.463,231.701) 1(276.463,232.211) 1(276.463,232.211) 1(276.553,231.471) 1(276.553,231.471) 1(276.553,232.441) 1(276.553,232.441) 1(276.703,231.261) 1(276.703,231.261) 1(276.703,232.651) 1(276.703,232.651) 1(276.893,231.091) 1(276.893,231.091) 1(276.893,232.821) 1(276.893,232.821) 1(277.113,230.971) 1(277.113,230.971) 1(277.113,232.941) 1(277.113,232.941) 1(277.363,230.911) 1(277.363,230.911) 1(277.363,233.001) 1(277.363,233.001) 1(277.613,230.911) 1(277.613,230.911) 1(277.613,233.001) 1(277.613,233.001) 1(277.853,230.971) 1(277.853,230.971) 1(277.853,232.941) 1(277.853,232.941) 1(277.933,196.501) 1(277.933,196.501) 1(277.963,196.241) 1(277.963,196.241) 1(277.963,196.751) 1(277.963,196.751) 1(278.053,196.011) 1(278.053,196.011) 1(278.053,196.981) 1(278.053,196.981) 1(278.083,231.091) 1(278.083,231.091) 1(278.083,232.821) 1(278.083,232.821) 1(278.203,195.801) 1(278.203,195.801) 1(278.203,197.191) 1(278.203,197.191) 1(278.273,231.261) 1(278.273,231.261) 1(278.273,232.651) 1(278.273,232.651) 1(278.393,195.631) 1(278.393,195.631) 1(278.393,197.361) 1(278.393,197.361) 1(278.413,231.471) 1(278.413,231.471) 1(278.413,232.441) 1(278.413,232.441) 1(278.503,231.701) 1(278.503,231.701) 1(278.503,232.211) 1(278.503,232.211) 1(278.533,231.961) 1(278.533,231.961) 1(278.613,195.511) 1(278.613,195.511) 1(278.613,197.481) 1(278.613,197.481) 1(278.808,155.961) 1(278.808,155.961) 1(278.838,155.701) 1(278.838,155.701) 1(278.838,156.211) 1(278.838,156.211) 1(278.863,195.451) 1(278.863,195.451) 1(278.863,197.541) 1(278.863,197.541) 1(278.928,155.471) 1(278.928,155.471) 1(278.928,156.441) 1(278.928,156.441) 1(279.078,155.261) 1(279.078,155.261) 1(279.078,156.651) 1(279.078,156.651) 1(279.113,195.451) 1(279.113,195.451) 1(279.113,197.541) 1(279.113,197.541) 1(279.268,155.091) 1(279.268,155.091) 1(279.268,156.821) 1(279.268,156.821) 1(279.353,195.511) 1(279.353,195.511) 1(279.353,197.481) 1(279.353,197.481) 1(279.488,154.971) 1(279.488,154.971) 1(279.488,156.941) 1(279.488,156.941) 1(279.583,195.631) 1(279.583,195.631) 1(279.583,197.361) 1(279.583,197.361) 1(279.738,154.911) 1(279.738,154.911) 1(279.738,157.001) 1(279.738,157.001) 1(279.773,195.801) 1(279.773,195.801) 1(279.773,197.191) 1(279.773,197.191) 1(279.913,196.011) 1(279.913,196.011) 1(279.913,196.981) 1(279.913,196.981) 1(279.988,154.911) 1(279.988,154.911) 1(279.988,157.001) 1(279.988,157.001) 1(280.003,196.241) 1(280.003,196.241) 1(280.003,196.751) 1(280.003,196.751) 1(280.033,196.501) 1(280.033,196.501) 1(280.228,154.971) 1(280.228,154.971) 1(280.228,156.941)